# KiCad board ciaa_acc.kicad_pcb (continued)
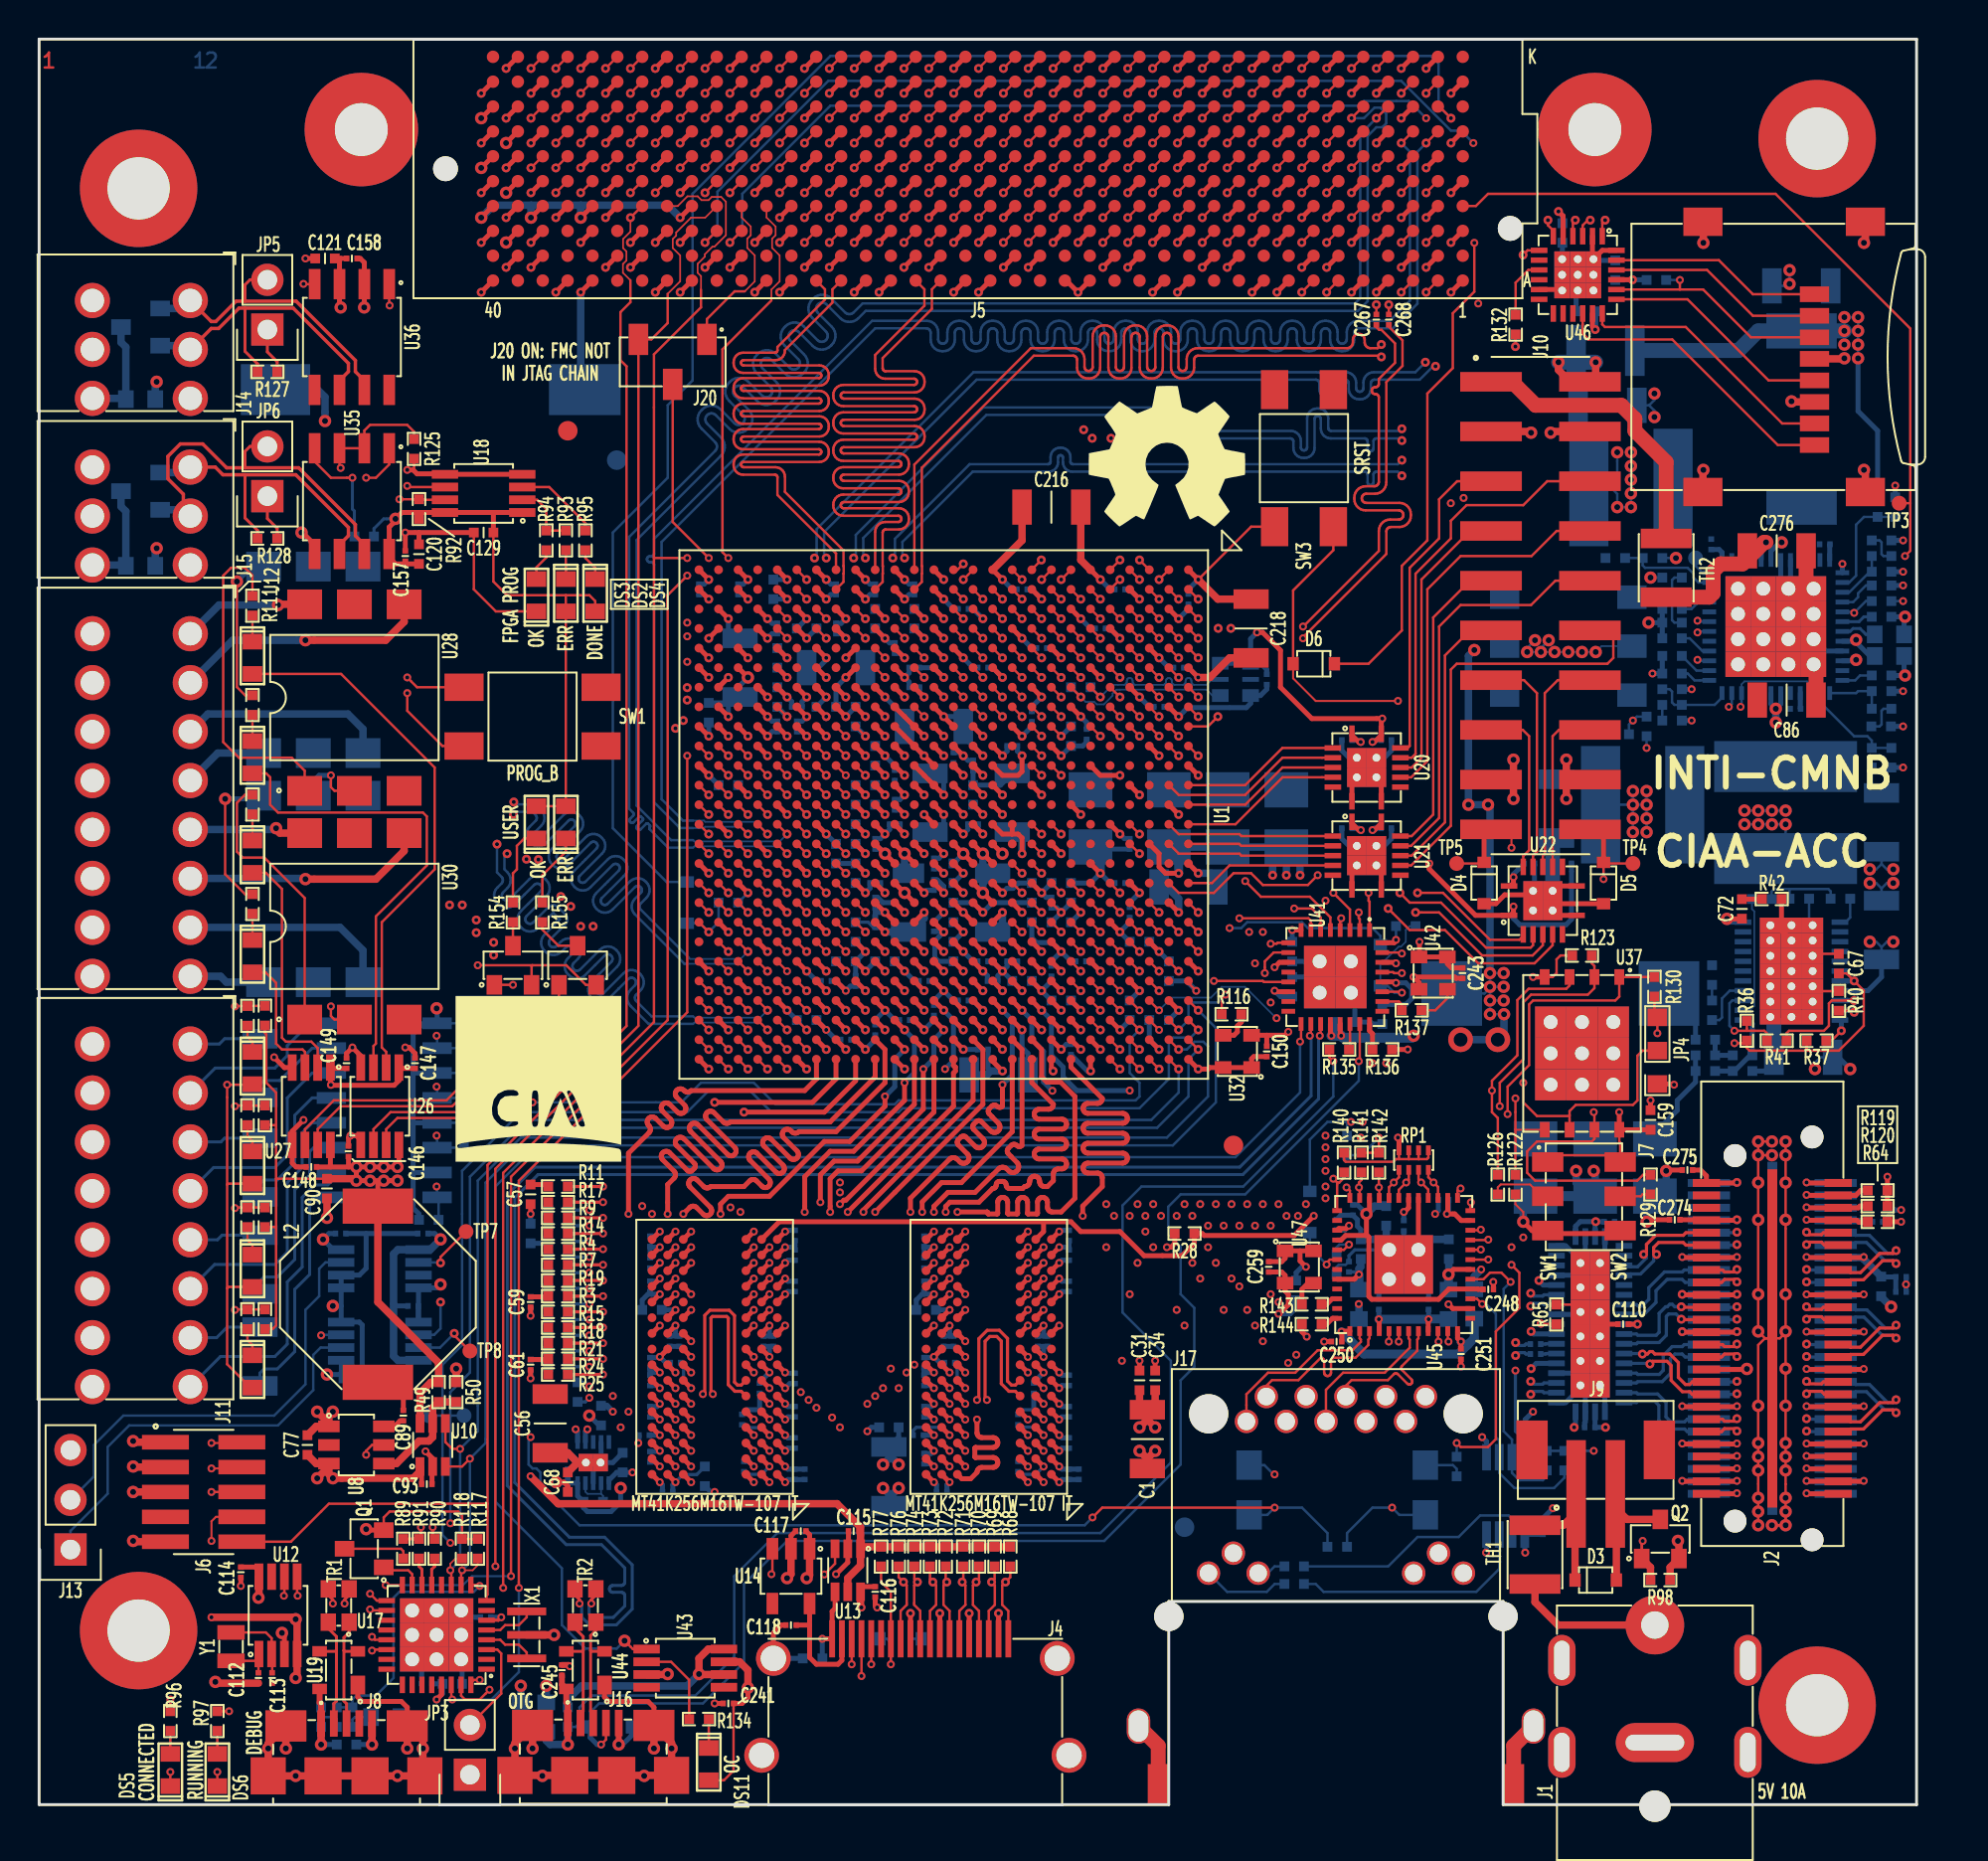
[diagram p0: board, top side]
## Routing (per net, layer and track width the routed paths; a pad name or vN(x,y) marks a point on that pad's centre or on a via; arc(x,y) is an arc through that point) (continued)
/Principal/BANK_502/DDR_DQ6: length 35
  TOP_L1.Sig w0.254: U1.J24 v2(51.2,39.57) ; U2.D7 v1(47.3,18.87)
  L10.Sig w0.165: v2(51.2,39.57) 50.7,39.07 50.7,35.97 50.69,35.92 50.68,35.87 50.65,35.83 50.62,35.79 50.57,35.77 50.53,35.75 50.47,35.75 50.17,35.75 50.12,35.74 50.08,35.72 50.03,35.7 50,35.66 49.97,35.62 49.96,35.57 49.95,35.52 49.96,35.47 49.97,35.42 50,35.38 50.03,35.34 50.08,35.32 50.12,35.3 50.17,35.3 50.47,35.3 50.53,35.29 50.57,35.27 50.62,35.25 50.65,35.21 50.68,35.17 50.69,35.12 50.7,35.07 50.69,35.02 50.68,34.97 50.65,34.93 50.62,34.89 50.57,34.87 50.53,34.85 50.47,34.84 49.78,34.84 49.72,34.84 49.68,34.82 49.63,34.8 49.6,34.76 49.57,34.72 49.56,34.67 49.55,34.62 49.56,34.57 49.57,34.52 49.6,34.48 49.63,34.44 49.68,34.42 49.72,34.4 49.78,34.39 50.47,34.39 50.53,34.39 50.57,34.37 50.62,34.35 50.65,34.31 50.68,34.27 50.69,34.22 50.7,34.17 50.69,34.12 50.68,34.07 50.65,34.03 50.62,33.99 50.57,33.97 50.53,33.95 50.47,33.95 49.78,33.95 49.72,33.94 49.68,33.92 49.63,33.9 49.6,33.86 49.57,33.82 49.56,33.77 49.55,33.72 49.56,33.67 49.57,33.62 49.6,33.58 49.63,33.54 49.68,33.52 49.72,33.5 49.78,33.5 50.47,33.5 50.53,33.49 50.57,33.47 50.62,33.45 50.65,33.41 50.68,33.37 50.69,33.32 50.7,33.27 50.69,33.22 50.68,33.17 50.65,33.13 50.62,33.09 50.57,33.07 50.53,33.05 50.47,33.05 49.78,33.05 49.72,33.04 49.68,33.02 49.63,33 49.6,32.96 49.57,32.92 49.56,32.87 49.55,32.82 49.56,32.77 49.57,32.72 49.6,32.68 49.63,32.64 49.68,32.62 49.72,32.6 49.78,32.59 50.47,32.59 50.53,32.59 50.57,32.57 50.62,32.55 50.65,32.51 50.68,32.47 50.69,32.42 50.7,32.37 50.7,31.77 50.66,31.73 50.63,31.7 50.58,31.68 50.53,31.67 50.48,31.67 50.43,31.68 50.39,31.7 50.35,31.73 50.17,31.91 50.13,31.94 50.08,31.96 50.04,31.98 49.99,31.98 49.94,31.96 49.89,31.94 49.85,31.91 49.82,31.87 49.8,31.83 49.79,31.78 49.79,31.73 49.8,31.68 49.82,31.63 49.85,31.59 50.26,31.19 50.27,31.17 50.28,31.15 50.29,31.13 50.29,31.1 50.28,31.08 50.27,31.06 50.26,31.05 50.08,30.87 50.06,30.85 50.04,30.84 50.02,30.84 50,30.84 49.98,30.84 49.96,30.85 49.94,30.87 49.22,31.59 49.18,31.62 49.13,31.65 49.08,31.66 49.03,31.66 48.98,31.65 48.94,31.62 48.9,31.59 48.87,31.55 48.84,31.51 48.83,31.46 48.83,31.41 48.84,31.36 48.87,31.31 48.9,31.28 49.39,30.78 49.42,30.74 49.45,30.7 49.46,30.65 49.46,30.6 49.45,30.55 49.42,30.5 49.39,30.46 48.9,29.97 48.9,19.77 48.76,19.63 48.74,19.61 48.71,19.6 48.69,19.59 48.66,19.59 48.63,19.6 48.61,19.61 48.56,19.65 48.54,19.66 48.51,19.66 48.49,19.66 48.46,19.66 48.43,19.65 48.41,19.63 48.3,19.52 48.29,19.5 48.27,19.47 48.27,19.45 48.27,19.42 48.27,19.39 48.29,19.37 48.3,19.35 48.39,19.26 48.39,19.26 48.49,19.15 48.51,19.13 48.53,19.1 48.53,19.07 48.53,19.03 48.53,19 48.51,18.97 48.49,18.94 48.42,18.87 48.39,18.85 48.36,18.84 48.33,18.83 48.3,18.83 48.26,18.84 48.23,18.85 48.18,18.89 48.15,18.9 48.12,18.91 48.09,18.91 48.06,18.9 48.03,18.89 48,18.87 v1(47.3,18.87)
/Principal/BANK_502/DDR_DQ7: length 36
  TOP_L1.Sig w0.254: U1.J23 v2(51.2,40.57) ; U2.B8 v1(46.5,17.27)
  L3.Sig w0.165: v1(55.3,22.67) 55.3,20.67 52.3,17.67 49.1,17.67 49.03,17.66 48.97,17.64 48.91,17.6 48.87,17.56 48.83,17.5 48.81,17.44 48.8,17.37 48.8,17.19 48.79,17.12 48.77,17.06 48.73,17 48.69,16.95 48.63,16.92 48.57,16.89 48.5,16.89 48.43,16.89 48.37,16.92 48.31,16.95 48.27,17 48.23,17.06 48.21,17.12 48.2,17.19 48.2,17.37 48.19,17.44 48.17,17.5 48.13,17.56 48.09,17.6 48.03,17.64 47.97,17.66 47.9,17.67 46.9,17.67 v1(46.5,17.27)
  L10.Sig w0.165: v1(55.7,36.47) 55.7,31.77 55.3,31.37 v1(55.3,22.67)
  BOT_L12.Sig w0.254: v2(51.2,40.57) 51.7,40.07 51.7,38.27 52.3,37.67 52.3,37.17 53,36.47 v1(55.7,36.47)
/Principal/BANK_502/DDR_DQ8: length 31.6
  TOP_L1.Sig w0.254: U1.K26 49.7,34.37 47.1,31.77 46.09,31.77 45.1,30.78 v1(45.1,30.27) ; U2.H3 v1(50.5,22.07)
  L3.Sig w0.165: v1(50.5,22.07) U2.H3 50,22.47 49.96,22.47 49.93,22.49 49.9,22.51 49.87,22.53 49.85,22.56 49.84,22.6 49.83,22.64 49.83,22.76 49.83,22.79 49.82,22.83 49.8,22.86 49.77,22.89 49.74,22.91 49.71,22.92 49.67,22.92 49.63,22.92 49.6,22.91 49.57,22.89 49.54,22.86 49.52,22.83 49.51,22.79 49.5,22.76 49.5,21.73 49.5,21.7 49.49,21.66 49.47,21.63 49.44,21.6 49.41,21.58 49.38,21.57 49.34,21.57 49.3,21.57 49.27,21.58 49.24,21.6 49.21,21.63 49.19,21.66 49.18,21.7 49.17,21.73 49.17,22.76 49.17,22.79 49.16,22.83 49.14,22.86 49.11,22.89 49.08,22.91 49.05,22.92 49.01,22.92 48.97,22.92 48.94,22.91 48.91,22.89 48.88,22.86 48.86,22.83 48.85,22.79 48.84,22.76 48.84,21.73 48.84,21.7 48.83,21.66 48.81,21.63 48.78,21.6 48.75,21.58 48.72,21.57 48.68,21.57 48.64,21.57 48.61,21.58 48.58,21.6 48.55,21.63 48.53,21.66 48.52,21.7 48.51,21.73 48.51,22.6 48.51,22.62 48.5,22.65 48.49,22.68 48.47,22.7 48.44,22.71 48.42,22.72 48.39,22.72 48.31,22.72 48.28,22.72 48.26,22.71 48.23,22.7 48.21,22.68 48.2,22.65 48.19,22.62 48.18,22.6 48.18,21.73 48.18,21.7 48.17,21.66 48.15,21.63 48.12,21.6 48.09,21.58 48.06,21.57 48.02,21.57 47.98,21.57 47.95,21.58 47.92,21.6 47.89,21.63 47.87,21.66 47.86,21.7 47.85,21.73 47.85,22.3 47.85,22.34 47.84,22.38 47.82,22.41 47.79,22.43 47.76,22.45 47.73,22.47 47.69,22.47 v1(44.7,22.47)
  L10.Sig w0.165: v1(44.7,22.47) 44.7,29.87 v1(45.1,30.27)
/Principal/BANK_502/DDR_DQ9: length 32.7
  TOP_L1.Sig w0.254: U1.L23 v2(49.2,40.57) ; v1(49.2,36.77) 49.2,35.67 49.17,35.64 49.13,35.62 49.08,35.61 49.04,35.61 49,35.62 48.96,35.64 48.89,35.7 48.85,35.72 48.81,35.73 48.77,35.73 48.72,35.72 48.68,35.7 48.65,35.67 48.53,35.55 48.5,35.52 48.48,35.48 48.47,35.43 48.47,35.39 48.48,35.35 48.5,35.31 48.53,35.28 48.67,35.14 48.66,35.13 48.99,34.81 49.03,34.76 49.06,34.7 49.07,34.64 49.07,34.58 49.06,34.52 49.03,34.46 48.99,34.41 48.94,34.38 48.88,34.35 48.82,34.33 48.76,34.33 48.7,34.35 48.64,34.38 48.59,34.41 48.13,34.88 48.1,34.9 48.06,34.92 48.02,34.93 47.97,34.93 47.93,34.92 47.89,34.9 47.86,34.88 47.74,34.76 47.71,34.72 47.69,34.68 47.68,34.64 47.68,34.6 47.69,34.56 47.71,34.52 47.74,34.48 48.2,34.02 48.24,33.97 48.27,33.91 48.28,33.85 48.28,33.79 48.27,33.73 48.24,33.67 48.2,33.63 48.15,33.59 48.09,33.56 48.03,33.55 47.97,33.55 47.91,33.56 47.85,33.59 47.81,33.63 47.34,34.09 47.31,34.11 47.27,34.13 47.23,34.14 47.18,34.14 47.14,34.13 47.1,34.11 47.07,34.09 46.95,33.97 46.92,33.93 46.9,33.89 46.89,33.85 46.89,33.81 46.9,33.77 46.92,33.73 46.95,33.69 47.41,33.23 47.45,33.18 47.48,33.13 47.49,33.06 47.49,33 47.48,32.94 47.45,32.88 47.41,32.84 47.36,32.8 47.31,32.77 47.24,32.76 47.18,32.76 47.12,32.77 47.07,32.8 47.02,32.84 46.89,32.96 46.84,33 46.78,33.03 46.72,33.04 46.66,33.04 46.6,33.03 46.54,33 46.49,32.96 44.5,30.97 v1(44.5,30.27) ; U2.H8 v1(46.5,22.07)
  L8.Sig w0.165: v1(44.3,22.07) 44.33,22.04 44.97,22.04 45.2,22.27 45.2,23.27 45.5,23.57 46.5,23.57 46.8,23.27 46.8,22.37 v1(46.5,22.07)
  L10.Sig w0.165: v1(44.5,30.27) 44.3,30.07 v1(44.3,22.07)
  BOT_L12.Sig w0.254: v1(49.2,36.77) 49.7,37.27 49.7,40.07 v2(49.2,40.57)
/Principal/BANK_502/DDR_DQ10: length 31.5
  TOP_L1.Sig w0.254: v1(42.1,30.27) 42.1,30.37 47.7,35.97 U1.M26 ; U2.F8 v1(46.5,20.47)
  L8.Sig w0.165: v1(42.3,20.47) 42.3,19.77 42.8,19.27 42.84,19.26 42.89,19.25 42.92,19.23 42.96,19.19 42.98,19.16 42.99,19.11 43,19.07 43,18.53 43.01,18.48 43.02,18.44 43.04,18.4 43.08,18.37 43.11,18.35 43.16,18.33 43.2,18.33 43.24,18.33 43.29,18.35 43.32,18.37 43.36,18.4 43.38,18.44 43.39,18.48 43.4,18.53 43.4,19.42 43.4,19.45 43.41,19.48 43.43,19.51 43.46,19.53 43.48,19.55 43.51,19.56 43.55,19.56 43.65,19.56 43.69,19.56 43.72,19.55 43.74,19.53 43.77,19.51 43.79,19.48 43.8,19.45 43.8,19.42 43.8,18.53 43.81,18.48 43.82,18.44 43.84,18.4 43.88,18.37 43.91,18.35 43.96,18.33 44,18.33 44.04,18.33 44.09,18.35 44.12,18.37 44.16,18.4 44.18,18.44 44.19,18.48 44.2,18.53 44.2,19.42 44.2,19.45 44.21,19.48 44.23,19.51 44.26,19.53 44.28,19.55 44.31,19.56 44.35,19.56 44.45,19.56 44.49,19.56 44.52,19.55 44.54,19.53 44.57,19.51 44.59,19.48 44.6,19.45 44.6,19.38 44.61,19.35 44.63,19.33 44.66,19.3 44.68,19.28 44.71,19.27 44.75,19.27 46.67,19.27 46.9,19.5 46.9,20.07 v1(46.5,20.47)
  L10.Sig w0.165: v1(42.3,20.47) 42.3,29.47 42.1,29.67 v1(42.1,30.27)
/Principal/BANK_502/DDR_DQ11: length 30.8
  TOP_L1.Sig w0.254: U1.K23 v2(50.2,40.57) ; U2.E3 v1(50.5,19.67)
  L10.Sig w0.165: v1(51.75,36.46) 51.75,36.02 51.8,35.97 51.8,30.77 50.89,29.86 50.89,28.18 51,28.07 51.6,28.07 51.69,27.98 51.69,27.36 51.6,27.27 51,27.27 50.91,27.18 50.91,26.56 51,26.47 51.6,26.47 51.69,26.38 51.69,25.76 51.59,25.66 50.99,25.66 50.91,25.58 50.91,24.96 51.01,24.86 51.61,24.86 51.69,24.78 51.69,24.06 51.6,23.97 50.89,23.97 50.8,23.88 50.8,23.37 50.91,23.26 51.61,23.26 51.7,23.17 51.7,22.57 51.6,22.47 51,22.47 50.9,22.37 50.9,21.67 50.89,21.63 50.88,21.58 50.86,21.55 50.82,21.51 50.79,21.49 50.74,21.48 50.7,21.47 50.47,21.47 50.43,21.46 50.38,21.45 50.35,21.43 50.31,21.39 50.29,21.36 50.28,21.31 50.27,21.27 50.28,21.23 50.29,21.18 50.31,21.15 50.35,21.11 50.38,21.09 50.43,21.08 50.47,21.07 50.7,21.07 50.74,21.06 50.79,21.05 50.82,21.03 50.86,20.99 50.88,20.96 50.89,20.91 50.9,20.87 50.89,20.83 50.88,20.78 50.86,20.75 50.82,20.71 50.79,20.69 50.74,20.68 50.7,20.67 50.47,20.67 50.43,20.66 50.38,20.65 50.35,20.63 50.31,20.59 50.29,20.56 50.28,20.51 50.27,20.47 50.28,20.43 50.29,20.38 50.31,20.35 50.35,20.31 50.38,20.29 50.43,20.28 50.47,20.27 50.7,20.27 50.74,20.26 50.79,20.25 50.82,20.23 50.86,20.19 50.88,20.16 50.89,20.11 50.9,20.07 v1(50.5,19.67)
  BOT_L12.Sig w0.254: v1(51.75,36.46) 51.3,36.91 51.3,38.47 50.7,39.07 50.7,40.07 v2(50.2,40.57)
/Principal/BANK_502/DDR_DQ12: length 31.7
  TOP_L1.Sig w0.254: v1(42.7,30.27) 48.2,35.77 48.2,38.57 U1.M25 ; U2.F7 v1(47.3,20.47)
  L8.Sig w0.165: v1(42.7,20.87) 43,20.87 43.04,20.86 43.09,20.85 43.12,20.83 43.16,20.79 43.18,20.76 43.19,20.71 43.2,20.67 43.2,20.11 43.21,20.06 43.22,20.02 43.24,19.98 43.28,19.95 43.31,19.93 43.36,19.91 43.4,19.91 43.44,19.91 43.49,19.93 43.52,19.95 43.56,19.98 43.58,20.02 43.59,20.06 43.6,20.11 43.6,20.67 43.61,20.71 43.62,20.76 43.64,20.79 43.68,20.83 43.71,20.85 43.76,20.86 43.8,20.87 43.84,20.86 43.89,20.85 43.92,20.83 43.96,20.79 43.98,20.76 43.99,20.71 44,20.67 44,20.11 44.01,20.06 44.02,20.02 44.04,19.98 44.08,19.95 44.11,19.93 44.16,19.91 44.2,19.91 44.24,19.91 44.29,19.93 44.32,19.95 44.36,19.98 44.38,20.02 44.39,20.06 44.4,20.11 44.4,21.13 44.41,21.18 44.42,21.22 44.44,21.26 44.48,21.29 44.51,21.31 44.56,21.33 44.6,21.33 44.64,21.33 44.69,21.31 44.72,21.29 44.76,21.26 44.78,21.22 44.79,21.18 44.8,21.13 44.8,20.11 44.81,20.06 44.82,20.02 44.84,19.98 44.88,19.95 44.91,19.93 44.96,19.91 45,19.91 45.04,19.91 45.09,19.93 45.12,19.95 45.16,19.98 45.18,20.02 45.19,20.06 45.2,20.11 45.2,20.67 45.21,20.71 45.22,20.76 45.24,20.79 45.28,20.83 45.31,20.85 45.36,20.86 45.4,20.87 U2.F7 v1(47.3,20.47)
  L10.Sig w0.165: v1(42.7,30.27) v1(42.7,20.87)
/Principal/BANK_502/DDR_DQ13: length 30.1
  TOP_L1.Sig w0.254: v1(51.3,20.47) U2.F2 ; U1.N24 v2(47.2,39.57)
  L3.Sig w0.165: v1(51.3,20.47) 50.9,20.07 44.3,20.07 v1(43.1,21.27)
  L10.Sig w0.165: v1(43.1,21.27) 43.1,30.77 46.7,34.37 46.7,39.07 v2(47.2,39.57)
/Principal/BANK_502/DDR_DQ14: length 30.1
  TOP_L1.Sig w0.254: U1.M24 v2(48.2,39.57) ; U2.H7 v1(47.3,22.07)
  L8.Sig w0.165: v1(43.9,21.27) 44.3,21.67 49.6,21.67 49.8,21.87 49.6,22.07 v1(47.3,22.07)
  L10.Sig w0.165: v2(48.2,39.57) 48.2,34.67 43.9,30.37 v1(43.9,21.27)
/Principal/BANK_502/DDR_DQ15: length 30.1
  TOP_L1.Sig w0.254: U2.G2 v1(51.3,21.27) ; U1.N23 v2(47.2,40.57)
  L3.Sig w0.165: v1(43.5,22.27) 43.5,22.17 43.8,21.87 43.9,21.87 44.9,20.87 47.47,20.87 47.66,21.06 51.09,21.06 v1(51.3,21.27)
  L10.Sig w0.165: v2(47.2,40.57) 47.7,40.07 47.7,34.77 43.5,30.57 v1(43.5,22.27)
/Principal/BANK_502/DDR_DQ16: length 34.3
  TOP_L1.Sig w0.254: U3.C3 v1(36.5,18.07) ; U1.R26 44.7,35.77 41.8,32.87 40.6,32.87 39.9,32.17 v1(39.9,30.77)
  L10.Sig w0.165: v1(39.9,30.77) 39.9,29.97 40.1,29.77 40.1,19.87 39.97,19.74 39.92,19.7 39.86,19.67 39.79,19.66 39.73,19.66 39.66,19.67 39.6,19.7 39.55,19.74 39.27,20.03 39.21,20.07 39.15,20.1 39.09,20.11 39.02,20.11 38.95,20.1 38.89,20.07 38.84,20.03 38.8,19.97 38.77,19.91 38.76,19.85 38.76,19.78 38.77,19.71 38.8,19.65 38.84,19.6 39.83,18.61 39.87,18.56 39.9,18.5 39.92,18.43 39.92,18.37 39.9,18.3 39.87,18.24 39.83,18.19 39.78,18.15 39.72,18.12 39.65,18.1 39.59,18.1 39.52,18.12 39.46,18.15 39.41,18.19 39.12,18.47 39.07,18.51 39.01,18.54 38.95,18.56 38.88,18.56 38.81,18.54 38.75,18.51 38.7,18.47 37.01,18.47 36.91,18.37 36.91,17.78 36.8,17.67 36.2,17.67 36.1,17.57 36.1,16.57 35.9,16.37 35.5,16.37 35.2,16.67 35.2,17.17 36.1,18.07 v1(36.5,18.07)
/Principal/BANK_502/DDR_DQ17: length 34.8
  TOP_L1.Sig w0.254: U3.C2 v1(37.3,18.07) ; v1(40.4,30.27) 40.4,31.97 40.8,32.37 42,32.37 45.16,35.53 v1(45.16,37.57) ; U1.P24 v2(46.2,39.57)
  L3.Sig w0.165: v1(40.5,19.77) 40.5,17.87 40.31,17.68 40.3,17.68 40.23,17.69 40.17,17.71 40.11,17.75 40.07,17.8 40.03,17.85 40.01,17.92 40,17.98 40,18.89 39.99,18.96 39.97,19.02 39.93,19.08 39.89,19.13 39.83,19.16 39.77,19.18 39.7,19.19 39.63,19.18 39.57,19.16 39.51,19.13 39.47,19.08 39.43,19.02 39.41,18.96 39.4,18.89 39.4,16.47 39.39,16.41 39.37,16.34 39.33,16.29 39.29,16.24 39.23,16.2 39.17,16.18 39.1,16.17 39.03,16.18 38.97,16.2 38.91,16.24 38.87,16.29 38.83,16.34 38.81,16.41 38.8,16.47 38.8,17.38 38.79,17.45 38.77,17.51 38.73,17.57 38.69,17.62 38.63,17.65 38.57,17.68 38.5,17.68 37.69,17.68 v1(37.3,18.07)
  L10.Sig w0.165: v1(40.5,19.77) 40.5,29.88 40.4,29.98 v1(40.4,30.27)
  BOT_L12.Sig w0.254: v1(45.16,37.57) 45.7,38.11 45.7,39.07 v2(46.2,39.57)
/Principal/BANK_502/DDR_DQ18: length 34.5
  TOP_L1.Sig w0.254: U3.A3 v1(36.5,16.47) ; v1(41.3,30.27) 46.7,35.67 46.7,37.37 46.8,37.47 46.8,37.67 46.78,37.67 46.7,37.75 U1.N26
  L10.Sig w0.165: v1(41.3,30.27) 41.3,17.17 41,16.87 40.5,16.87 40.46,16.87 40.42,16.85 40.39,16.83 40.36,16.8 40.34,16.77 40.33,16.73 40.33,16.7 40.33,16.59 40.32,16.55 40.31,16.51 40.29,16.48 40.26,16.45 40.23,16.43 40.19,16.41 40.15,16.41 40.11,16.41 40.07,16.43 40.04,16.45 40.01,16.48 39.99,16.51 39.98,16.55 39.97,16.59 39.97,17.6 39.97,17.64 39.96,17.68 39.94,17.71 39.91,17.74 39.88,17.76 39.84,17.78 39.8,17.78 39.76,17.78 39.72,17.76 39.69,17.74 39.66,17.71 39.64,17.68 39.63,17.64 39.62,17.6 39.62,16.59 39.62,16.55 39.61,16.51 39.59,16.48 39.56,16.45 39.53,16.43 39.49,16.41 39.45,16.41 39.41,16.41 39.37,16.43 39.34,16.45 39.31,16.48 39.29,16.51 39.28,16.55 39.28,16.59 39.28,17.65 39.27,17.69 39.26,17.73 39.24,17.76 39.21,17.79 39.18,17.81 39.14,17.83 39.1,17.83 39.06,17.83 39.02,17.81 38.99,17.79 38.96,17.76 38.94,17.73 38.93,17.69 38.92,17.65 38.92,16.59 38.92,16.55 38.91,16.51 38.89,16.48 38.86,16.45 38.83,16.43 38.79,16.41 38.75,16.41 38.71,16.41 38.67,16.43 38.64,16.45 38.61,16.48 38.59,16.51 38.58,16.55 38.58,16.59 38.58,16.7 38.57,16.73 38.56,16.77 38.54,16.8 38.51,16.83 38.48,16.85 38.44,16.87 38.4,16.87 36.9,16.87 v1(36.5,16.47)
/Principal/BANK_502/DDR_DQ19: length 33.5
  TOP_L1.Sig w0.254: U3.A2 v1(37.3,16.47) ; U1.P23 v2(46.2,40.57)
  L10.Sig w0.165: v1(46.27,37.57) 46.27,35.74 41.7,31.17 41.7,17.67 41.71,17.6 41.73,17.54 41.77,17.48 41.81,17.44 41.87,17.4 41.93,17.38 42,17.37 42.15,17.37 42.22,17.36 42.28,17.34 42.34,17.3 42.39,17.26 42.42,17.2 42.45,17.14 42.45,17.07 42.45,17 42.42,16.94 42.39,16.88 42.34,16.84 42.28,16.8 42.22,16.78 42.15,16.77 42,16.77 41.93,16.76 41.87,16.74 41.81,16.7 41.77,16.66 41.73,16.6 41.71,16.54 41.7,16.47 41.7,16.27 41.5,16.07 37.7,16.07 v1(37.3,16.47)
  BOT_L12.Sig w0.254: v2(46.2,40.57) 46.7,40.07 46.7,37.97 46.67,37.97 v1(46.27,37.57)
/Principal/BANK_502/DDR_DQ20: length 34.8
  TOP_L1.Sig w0.254: U3.B8 v1(32.5,17.27) ; v1(39.1,30.27) 39.1,32.07 40.4,33.37 41.6,33.37 44.2,35.97 v1(44.2,36.87) ; U1.T24 v2(44.2,39.57)
  L8.Sig w0.165: v1(32.5,17.27) 32.9,17.67 33.6,17.67 33.64,17.67 33.68,17.65 33.72,17.63 33.75,17.6 33.77,17.56 33.79,17.52 33.79,17.48 33.79,16.96 33.79,16.92 33.81,16.88 33.83,16.84 33.86,16.81 33.9,16.79 33.94,16.78 33.98,16.77 34.02,16.78 34.06,16.79 34.1,16.81 34.13,16.84 34.15,16.88 34.17,16.92 34.17,16.96 34.17,17.84 34.17,17.88 34.19,17.92 34.21,17.95 34.24,17.98 34.27,18 34.31,18.01 34.34,18.02 34.38,18.02 34.42,18.01 34.45,18 34.49,17.98 34.51,17.95 34.53,17.92 34.55,17.88 34.55,17.8 34.57,17.77 34.59,17.74 34.62,17.71 34.65,17.69 34.69,17.67 34.72,17.67 35.4,17.67 35.6,17.87 35.6,19.67 36,20.07 38.8,20.07 39.3,20.57 v1(39.3,20.67)
  L10.Sig w0.165: v1(39.3,20.67) 39.3,29.37 39.1,29.57 v1(39.1,30.27)
  BOT_L12.Sig w0.254: v1(44.2,36.87) 44.7,37.37 44.7,39.07 v2(44.2,39.57)
/Principal/BANK_502/DDR_DQ21: length 35
  TOP_L1.Sig w0.254: U3.D7 v1(33.3,18.87) ; v1(34.8,30.17) 34.8,30.67 35.2,31.07 37.3,31.07 40.1,33.87 41.4,33.87 43.2,35.67 v1(43.2,36.17) ; U1.T25 v2(44.2,38.57)
  L10.Sig w0.165: v1(34.8,30.17) 34.9,30.07 34.9,20.57 34.89,20.52 34.88,20.47 34.85,20.43 34.82,20.39 34.77,20.37 34.73,20.35 34.67,20.34 34.28,20.34 34.23,20.34 34.18,20.32 34.14,20.3 34.11,20.26 34.08,20.22 34.06,20.17 34.06,20.12 34.06,20.07 34.08,20.02 34.11,19.98 34.14,19.94 34.18,19.92 34.23,19.9 34.28,19.89 34.67,19.89 34.73,19.89 34.77,19.87 34.82,19.85 34.85,19.81 34.88,19.77 34.89,19.72 34.9,19.67 34.9,18.87 34.5,18.47 31.3,18.47 31.2,18.57 31.2,19.17 31.29,19.26 32.91,19.26 v1(33.3,18.87)
  BOT_L12.Sig w0.254: v2(44.2,38.57) 43.7,38.07 43.7,36.67 v1(43.2,36.17)
/Principal/BANK_502/DDR_DQ22: length 33
  TOP_L1.Sig w0.254: U3.C8 v1(32.5,18.07) ; U1.T23 v2(44.2,40.57)
  L8.Sig w0.165: v1(32.5,18.07) 32.9,18.47 33.6,18.47 33.63,18.5 33.68,18.54 33.74,18.57 33.81,18.58 33.87,18.58 33.94,18.57 34,18.54 34.05,18.5 34.14,18.41 34.19,18.37 34.25,18.34 34.31,18.33 34.38,18.33 34.45,18.34 34.51,18.37 34.56,18.41 34.6,18.47 34.63,18.53 34.65,18.59 34.65,18.66 34.63,18.72 34.6,18.79 34.56,18.84 33.97,19.43 33.93,19.48 33.9,19.54 33.88,19.61 33.88,19.68 33.9,19.74 33.93,19.8 33.97,19.85 34.02,19.9 34.08,19.92 34.15,19.94 34.21,19.94 34.28,19.92 34.34,19.9 34.39,19.85 34.48,19.77 34.53,19.73 34.59,19.7 34.65,19.68 34.72,19.68 34.79,19.7 34.85,19.73 34.9,19.77 36,20.87 38.7,20.87 v1(38.9,21.07)
  L10.Sig w0.165: v2(44.2,40.57) 43.7,40.07 43.7,35.97 39.4,31.67 39.3,31.67 38.6,30.97 38.6,29.37 38.9,29.07 v1(38.9,21.07)
/Principal/BANK_502/DDR_DQ23: length 33
  TOP_L1.Sig w0.254: U3.A7 v1(33.3,16.47) ; U1.R23 v2(45.2,40.57)
  L8.Sig w0.165: v1(33.3,16.47) 35.1,16.47 36.1,17.47 36.1,19.18 36.2,19.28 38.71,19.28 v1(39.7,20.27)
  L10.Sig w0.165: v2(45.2,40.57) 44.7,40.07 44.7,36.17 39.5,30.97 39.5,29.77 39.7,29.57 v1(39.7,20.27)
/Principal/BANK_502/DDR_DQ24: length 34.7
  TOP_L1.Sig w0.254: U3.H3 v1(36.5,22.07) ; U1.V24 v2(42.2,39.57)
  L10.Sig w0.165: v1(36.5,22.07) 36.91,22.48 36.91,29.96 36.91,30 36.9,30.03 36.88,30.06 36.85,30.09 36.82,30.11 36.78,30.12 36.75,30.13 36.38,30.13 36.34,30.13 36.31,30.14 36.27,30.16 36.25,30.19 36.23,30.22 36.22,30.26 36.21,30.29 36.22,30.33 36.23,30.36 36.25,30.39 36.27,30.42 36.31,30.44 36.34,30.45 36.38,30.46 37.25,30.46 37.28,30.46 37.32,30.47 37.35,30.49 37.38,30.52 37.4,30.55 37.41,30.59 37.41,30.62 37.41,30.66 37.4,30.69 37.38,30.73 37.35,30.75 37.32,30.77 37.28,30.78 37.25,30.79 36.08,30.79 36.04,30.79 36.01,30.8 35.97,30.82 35.95,30.85 35.93,30.88 35.92,30.92 35.91,30.95 35.92,30.99 35.93,31.02 35.95,31.06 35.97,31.08 36.01,31.1 36.04,31.11 36.08,31.12 36.75,31.12 36.78,31.12 36.82,31.13 36.85,31.15 36.88,31.18 36.9,31.21 36.91,31.25 36.91,31.28 37.24,31.61 37.26,31.63 37.29,31.64 37.31,31.64 37.34,31.64 37.37,31.64 37.39,31.63 37.44,31.59 37.46,31.58 37.49,31.57 37.52,31.57 37.55,31.58 37.57,31.59 37.59,31.61 37.66,31.68 37.68,31.7 37.69,31.73 37.7,31.75 37.7,31.78 37.69,31.81 37.68,31.83 37.66,31.86 37.49,32.03 37.47,32.05 37.46,32.08 37.45,32.11 37.45,32.14 37.46,32.16 37.47,32.19 37.49,32.21 37.56,32.28 37.58,32.3 37.6,32.31 37.63,32.32 37.66,32.32 37.69,32.31 37.71,32.3 37.73,32.28 37.91,32.1 37.93,32.09 37.96,32.07 37.98,32.07 38.01,32.07 38.04,32.07 38.07,32.09 38.09,32.1 38.16,32.17 38.18,32.2 38.19,32.22 38.19,32.25 38.19,32.28 38.19,32.3 38.18,32.33 38.16,32.35 37.98,32.53 37.96,32.55 37.95,32.58 37.95,32.6 37.95,32.63 37.95,32.66 37.96,32.68 37.98,32.7 38.05,32.78 38.07,32.79 38.1,32.81 38.13,32.81 38.15,32.81 38.18,32.81 38.21,32.79 38.23,32.78 38.41,32.6 38.43,32.58 38.45,32.57 38.48,32.56 38.51,32.56 38.54,32.57 38.56,32.58 38.58,32.6 38.65,32.67 38.67,32.69 38.68,32.72 38.69,32.74 38.69,32.77 38.68,32.8 38.67,32.82 38.65,32.85 38.48,33.02 38.46,33.04 38.45,33.07 38.44,33.1 38.44,33.13 38.45,33.15 38.46,33.18 38.48,33.2 38.55,33.27 38.57,33.29 38.59,33.3 38.62,33.31 38.65,33.31 38.68,33.3 38.7,33.29 38.72,33.27 38.9,33.09 38.92,33.08 38.95,33.06 38.97,33.06 39,33.06 39.03,33.06 39.06,33.08 39.08,33.09 39.15,33.16 39.17,33.19 39.18,33.21 39.18,33.24 39.18,33.27 39.18,33.29 39.17,33.32 39.15,33.34 38.97,33.52 38.95,33.54 38.94,33.57 38.94,33.59 38.94,33.62 38.94,33.65 38.95,33.67 38.97,33.69 39.04,33.77 39.06,33.78 39.09,33.8 39.12,33.8 39.14,33.8 39.17,33.8 39.2,33.78 39.22,33.77 39.4,33.59 39.42,33.57 39.44,33.56 39.47,33.55 39.5,33.55 39.53,33.56 39.55,33.57 39.57,33.59 39.64,33.66 39.66,33.68 39.67,33.71 39.68,33.73 39.68,33.76 39.67,33.79 39.66,33.81 39.64,33.84 39.47,34.01 39.45,34.03 39.44,34.06 39.43,34.09 39.43,34.12 39.44,34.14 39.45,34.17 39.47,34.19 39.54,34.26 39.56,34.28 39.58,34.29 39.61,34.3 39.64,34.3 39.67,34.29 39.69,34.28 39.71,34.26 39.89,34.08 39.91,34.07 39.94,34.05 39.96,34.05 39.99,34.05 40.02,34.05 40.05,34.07 40.07,34.08 40.14,34.15 40.16,34.18 40.17,34.2 40.17,34.23 40.17,34.26 40.17,34.28 40.16,34.31 40.14,34.33 39.96,34.51 39.94,34.53 39.93,34.55 39.93,34.58 39.93,34.61 39.93,34.64 39.94,34.66 39.96,34.68 40.03,34.76 40.05,34.77 40.08,34.78 40.11,34.79 40.13,34.79 40.16,34.78 40.19,34.77 40.21,34.76 40.39,34.58 40.41,34.56 40.43,34.55 40.46,34.54 40.49,34.54 40.52,34.55 40.54,34.56 40.56,34.58 40.63,34.65 40.65,34.67 40.66,34.7 40.67,34.72 40.67,34.75 40.66,34.78 40.65,34.8 40.63,34.83 40.46,35 40.44,35.02 40.43,35.05 40.42,35.08 40.42,35.11 40.43,35.13 40.44,35.16 40.46,35.18 40.53,35.25 40.55,35.27 40.57,35.28 40.6,35.29 40.63,35.29 40.66,35.28 40.68,35.27 40.7,35.25 40.88,35.07 40.9,35.06 40.93,35.04 40.95,35.04 40.98,35.04 41.01,35.04 41.04,35.06 41.06,35.07 41.13,35.14 41.15,35.17 41.16,35.19 41.16,35.22 41.16,35.25 41.16,35.27 41.15,35.3 41.13,35.32 40.95,35.5 40.93,35.52 40.92,35.54 40.92,35.57 40.92,35.6 40.92,35.63 40.93,35.65 40.95,35.67 41.02,35.75 41.04,35.76 41.07,35.77 41.1,35.78 41.12,35.78 41.15,35.77 41.18,35.76 41.2,35.75 41.38,35.57 41.4,35.55 41.42,35.54 41.45,35.53 41.48,35.53 41.5,35.54 41.53,35.55 41.55,35.57 41.62,35.64 41.64,35.66 41.65,35.69 41.66,35.71 41.66,35.74 41.65,35.77 41.64,35.79 41.62,35.82 41.45,35.99 41.43,36.01 41.42,36.04 41.41,36.07 41.41,36.1 41.42,36.12 41.43,36.15 41.45,36.17 41.52,36.24 41.54,36.26 41.56,36.27 41.59,36.28 41.62,36.28 41.65,36.27 41.67,36.26 41.69,36.24 41.87,36.06 41.89,36.05 41.92,36.03 41.94,36.03 41.97,36.03 42,36.03 42.03,36.05 42.05,36.06 42.12,36.13 42.14,36.16 42.15,36.18 42.15,36.21 42.15,36.24 42.15,36.26 42.14,36.29 42.12,36.31 41.94,36.49 41.92,36.51 41.91,36.53 41.91,36.56 41.91,36.59 41.91,36.62 41.92,36.64 41.94,36.66 42.01,36.74 42.03,36.75 42.06,36.76 42.09,36.77 42.11,36.77 42.14,36.76 42.17,36.75 42.21,36.72 42.24,36.71 42.26,36.7 42.29,36.7 42.32,36.71 42.34,36.72 42.37,36.74 42.61,36.98 42.61,37.3 42.62,37.34 42.63,37.37 42.64,37.39 42.67,37.41 42.69,37.43 42.72,37.44 42.78,37.45 42.81,37.46 42.84,37.47 42.86,37.5 42.88,37.52 42.89,37.55 42.89,37.58 42.89,37.64 42.89,37.67 42.88,37.7 42.86,37.72 42.84,37.74 42.81,37.76 42.78,37.77 42.75,37.77 42.05,37.77 42.01,37.78 41.98,37.79 41.95,37.81 41.92,37.84 41.9,37.87 41.89,37.9 41.88,37.94 41.89,37.98 41.9,38.01 41.92,38.04 41.95,38.07 41.98,38.09 42.01,38.1 42.05,38.1 42.45,38.1 42.48,38.11 42.52,38.12 42.55,38.14 42.58,38.17 42.6,38.2 42.61,38.23 42.61,38.27 42.61,39.16 v2(42.2,39.57)
/Principal/BANK_502/DDR_DQ25: length 38.8
  TOP_L1.Sig w0.254: U3.H8 v1(32.5,22.07) ; U1.U26 42.7,37.17 40.4,34.87 35.3,34.87 35.26,34.83 35.2,34.81 35.15,34.8 35.09,34.8 35.04,34.81 34.99,34.83 34.94,34.87 34.47,35.34 34.42,35.38 34.37,35.4 34.32,35.42 34.26,35.42 34.2,35.4 34.15,35.38 34.11,35.34 34.07,35.3 34.05,35.25 34.04,35.19 34.04,35.14 34.05,35.08 34.07,35.03 34.11,34.98 35.52,33.57 35.56,33.53 35.58,33.48 35.59,33.42 35.59,33.36 35.58,33.31 35.56,33.26 35.52,33.21 35.48,33.18 35.42,33.15 35.37,33.14 35.31,33.14 35.26,33.15 35.21,33.18 35.16,33.21 33.64,34.73 33.6,34.77 33.55,34.79 33.49,34.8 33.43,34.8 33.38,34.79 33.33,34.77 33.28,34.73 33.25,34.69 33.22,34.64 33.21,34.58 33.21,34.52 33.22,34.47 33.25,34.42 33.28,34.37 34.8,32.85 34.84,32.81 34.86,32.76 34.87,32.7 34.87,32.65 34.86,32.59 34.84,32.54 34.8,32.49 34.76,32.46 34.71,32.43 34.65,32.42 34.59,32.42 34.54,32.43 34.49,32.46 34.44,32.49 32.92,34.01 32.88,34.05 32.83,34.07 32.77,34.09 32.72,34.09 32.66,34.07 32.61,34.05 32.57,34.01 32.53,33.97 32.5,33.92 32.49,33.86 32.49,33.8 32.5,33.75 32.53,33.7 32.57,33.65 33.46,32.76 33.48,32.73 33.5,32.69 33.51,32.65 33.51,32.61 33.5,32.56 33.48,32.53 33.46,32.49 33.37,32.4 33.33,32.38 33.29,32.36 33.25,32.35 33.21,32.35 33.17,32.36 33.13,32.38 33.1,32.4 32.21,33.29 32.16,33.33 32.11,33.35 32.05,33.37 32,33.37 31.94,33.35 31.89,33.33 31.85,33.29 31.81,33.25 31.79,33.2 31.77,33.14 31.77,33.09 31.79,33.03 31.81,32.98 31.85,32.94 32.43,32.36 32.46,32.31 32.49,32.26 32.5,32.2 32.5,32.15 32.49,32.09 32.46,32.04 32.43,32 32.1,31.67 v1(32.1,30.17)
  L10.Sig w0.165: v1(32.5,22.07) U3.H8 v1(32.1,30.17)
/Principal/BANK_502/DDR_DQ26: length 34.6
  TOP_L1.Sig w0.254: U3.G2 v1(37.3,21.27) ; U1.U24 v2(43.2,39.57)
  L10.Sig w0.165: v1(37.3,21.27) 37.71,21.68 37.71,23.17 37.71,23.22 37.69,23.27 37.66,23.31 37.63,23.35 37.59,23.37 37.54,23.39 37.49,23.39 37.46,23.39 37.41,23.4 37.36,23.42 37.32,23.44 37.29,23.48 37.26,23.52 37.24,23.57 37.24,23.62 37.24,23.67 37.26,23.72 37.29,23.76 37.32,23.8 37.36,23.82 37.41,23.84 37.46,23.84 37.49,23.84 37.54,23.85 37.59,23.87 37.63,23.89 37.66,23.93 37.69,23.97 37.71,24.02 37.71,24.07 37.71,29.51 37.72,29.55 37.73,29.58 37.75,29.61 37.77,29.64 37.81,29.66 37.84,29.67 37.88,29.68 38.15,29.68 38.18,29.68 38.22,29.69 38.25,29.71 38.28,29.74 38.3,29.77 38.31,29.81 38.31,29.84 38.31,29.88 38.3,29.91 38.28,29.94 38.25,29.97 38.22,29.99 38.18,30 38.15,30.01 37.61,30.01 37.59,30.01 37.57,30.02 37.55,30.03 37.53,30.04 37.52,30.06 37.52,30.08 37.51,30.11 37.51,30.24 37.52,30.26 37.52,30.28 37.53,30.3 37.55,30.32 37.57,30.33 37.59,30.33 37.61,30.34 38.15,30.34 38.18,30.34 38.22,30.35 38.25,30.37 38.28,30.4 38.3,30.43 38.31,30.47 38.31,30.5 38.31,30.54 38.3,30.57 38.28,30.61 38.25,30.63 38.22,30.65 38.18,30.66 38.15,30.67 37.88,30.67 37.84,30.67 37.81,30.68 37.77,30.7 37.75,30.73 37.73,30.76 37.72,30.8 37.71,30.83 37.71,30.88 38.04,31.21 38.06,31.24 38.08,31.27 38.09,31.31 38.09,31.35 38.08,31.38 38.06,31.42 38.04,31.44 37.99,31.49 37.97,31.52 37.95,31.56 37.94,31.59 37.94,31.63 37.95,31.67 37.97,31.7 37.99,31.73 38.02,31.75 38.05,31.77 38.09,31.77 38.13,31.77 38.16,31.77 38.2,31.75 38.23,31.73 38.48,31.47 38.5,31.46 38.53,31.44 38.55,31.44 38.58,31.44 38.61,31.44 38.63,31.46 38.66,31.47 38.71,31.53 38.73,31.55 38.74,31.58 38.75,31.6 38.75,31.63 38.74,31.66 38.73,31.68 38.71,31.71 38.49,31.93 38.47,31.95 38.45,31.99 38.45,32.02 38.45,32.06 38.45,32.1 38.47,32.13 38.49,32.16 38.52,32.18 38.56,32.2 38.59,32.21 38.63,32.21 38.67,32.2 38.7,32.18 38.73,32.16 38.96,31.92 38.99,31.9 39.02,31.89 39.05,31.88 39.09,31.88 39.12,31.89 39.15,31.9 39.18,31.92 39.2,31.94 39.22,31.97 39.23,32 39.24,32.03 39.24,32.07 39.23,32.1 39.22,32.13 39.2,32.16 38.96,32.39 38.94,32.42 38.92,32.45 38.91,32.49 38.91,32.53 38.92,32.56 38.94,32.6 38.96,32.63 38.99,32.65 39.02,32.66 39.06,32.67 39.1,32.67 39.13,32.66 39.17,32.65 39.19,32.63 39.46,32.36 39.48,32.34 39.52,32.33 39.55,32.32 39.59,32.32 39.63,32.33 39.66,32.34 39.69,32.36 39.71,32.39 39.73,32.43 39.74,32.46 39.74,32.5 39.73,32.54 39.71,32.57 39.69,32.6 39.43,32.86 39.4,32.89 39.39,32.92 39.38,32.96 39.38,32.99 39.39,33.03 39.4,33.06 39.43,33.09 39.46,33.12 39.49,33.13 39.53,33.14 39.56,33.14 39.6,33.13 39.63,33.12 39.66,33.09 39.92,32.83 39.95,32.81 39.99,32.79 40.02,32.78 40.06,32.78 40.09,32.79 40.13,32.81 40.16,32.83 40.18,32.86 40.2,32.89 40.2,32.93 40.2,32.97 40.2,33 40.18,33.04 40.16,33.06 39.92,33.3 39.9,33.33 39.88,33.36 39.88,33.39 39.88,33.42 39.88,33.46 39.9,33.49 39.92,33.51 39.94,33.54 39.97,33.56 40,33.57 40.03,33.58 40.06,33.58 40.1,33.57 40.13,33.56 40.15,33.54 40.39,33.3 40.42,33.28 40.45,33.26 40.49,33.25 40.53,33.25 40.56,33.26 40.59,33.28 40.62,33.3 40.65,33.33 40.66,33.36 40.67,33.4 40.67,33.43 40.66,33.47 40.65,33.5 40.62,33.53 40.39,33.77 40.37,33.79 40.35,33.83 40.34,33.86 40.34,33.89 40.35,33.92 40.37,33.95 40.39,33.98 40.41,34 40.43,34.02 40.46,34.04 40.5,34.05 40.53,34.05 40.56,34.04 40.59,34.02 40.62,34 40.86,33.77 40.89,33.74 40.92,33.73 40.96,33.72 40.99,33.72 41.03,33.73 41.06,33.74 41.09,33.77 41.11,33.79 41.13,33.83 41.14,33.86 41.14,33.9 41.13,33.94 41.11,33.97 41.09,34 40.85,34.24 40.83,34.26 40.82,34.29 40.81,34.32 40.81,34.36 40.82,34.39 40.83,34.42 40.85,34.45 40.87,34.47 40.9,34.49 40.93,34.5 40.96,34.51 41,34.51 41.03,34.5 41.06,34.49 41.09,34.47 41.32,34.23 41.35,34.21 41.39,34.19 41.42,34.18 41.46,34.18 41.5,34.19 41.53,34.21 41.56,34.23 41.58,34.26 41.6,34.29 41.6,34.33 41.6,34.37 41.6,34.4 41.58,34.44 41.56,34.47 41.32,34.7 41.3,34.73 41.28,34.76 41.28,34.79 41.28,34.83 41.28,34.86 41.3,34.89 41.32,34.91 41.34,34.94 41.37,34.96 41.4,34.97 41.43,34.98 41.46,34.98 41.5,34.97 41.53,34.96 41.55,34.94 41.79,34.7 41.82,34.68 41.85,34.66 41.89,34.65 41.93,34.65 41.96,34.66 42,34.68 42.02,34.7 42.05,34.73 42.06,34.76 42.07,34.8 42.07,34.83 42.06,34.87 42.05,34.9 42.02,34.93 41.79,35.17 41.77,35.2 41.75,35.23 41.74,35.26 41.74,35.29 41.75,35.33 41.77,35.36 41.79,35.38 41.81,35.4 41.84,35.42 41.87,35.44 41.9,35.45 41.93,35.45 41.96,35.44 41.99,35.42 42.02,35.4 42.26,35.17 42.29,35.14 42.32,35.13 42.36,35.12 42.39,35.12 42.43,35.13 42.46,35.14 42.49,35.17 42.51,35.2 42.53,35.23 42.54,35.26 42.54,35.3 42.53,35.34 42.51,35.37 42.49,35.4 42.25,35.64 42.23,35.66 42.22,35.69 42.21,35.73 42.21,35.76 42.22,35.79 42.23,35.82 42.25,35.85 42.28,35.87 42.3,35.89 42.33,35.91 42.37,35.91 42.4,35.91 42.43,35.91 42.46,35.89 42.51,35.85 42.54,35.83 42.58,35.83 42.61,35.83 42.64,35.83 42.67,35.85 42.7,35.87 42.7,36.37 43.2,36.87 v2(43.2,39.57)